# Altium PCB zigbee-coordinator-router.PcbDoc
Units mil, origin at the board's own origin, x right, y up, seen from the top; angles counter-clockwise.
Board outline 3937.01 x 2783.46 mil, 2 copper layers (Top Layer, Bottom Layer); 75 components, 55 nets, 307 pads, 890 vias.
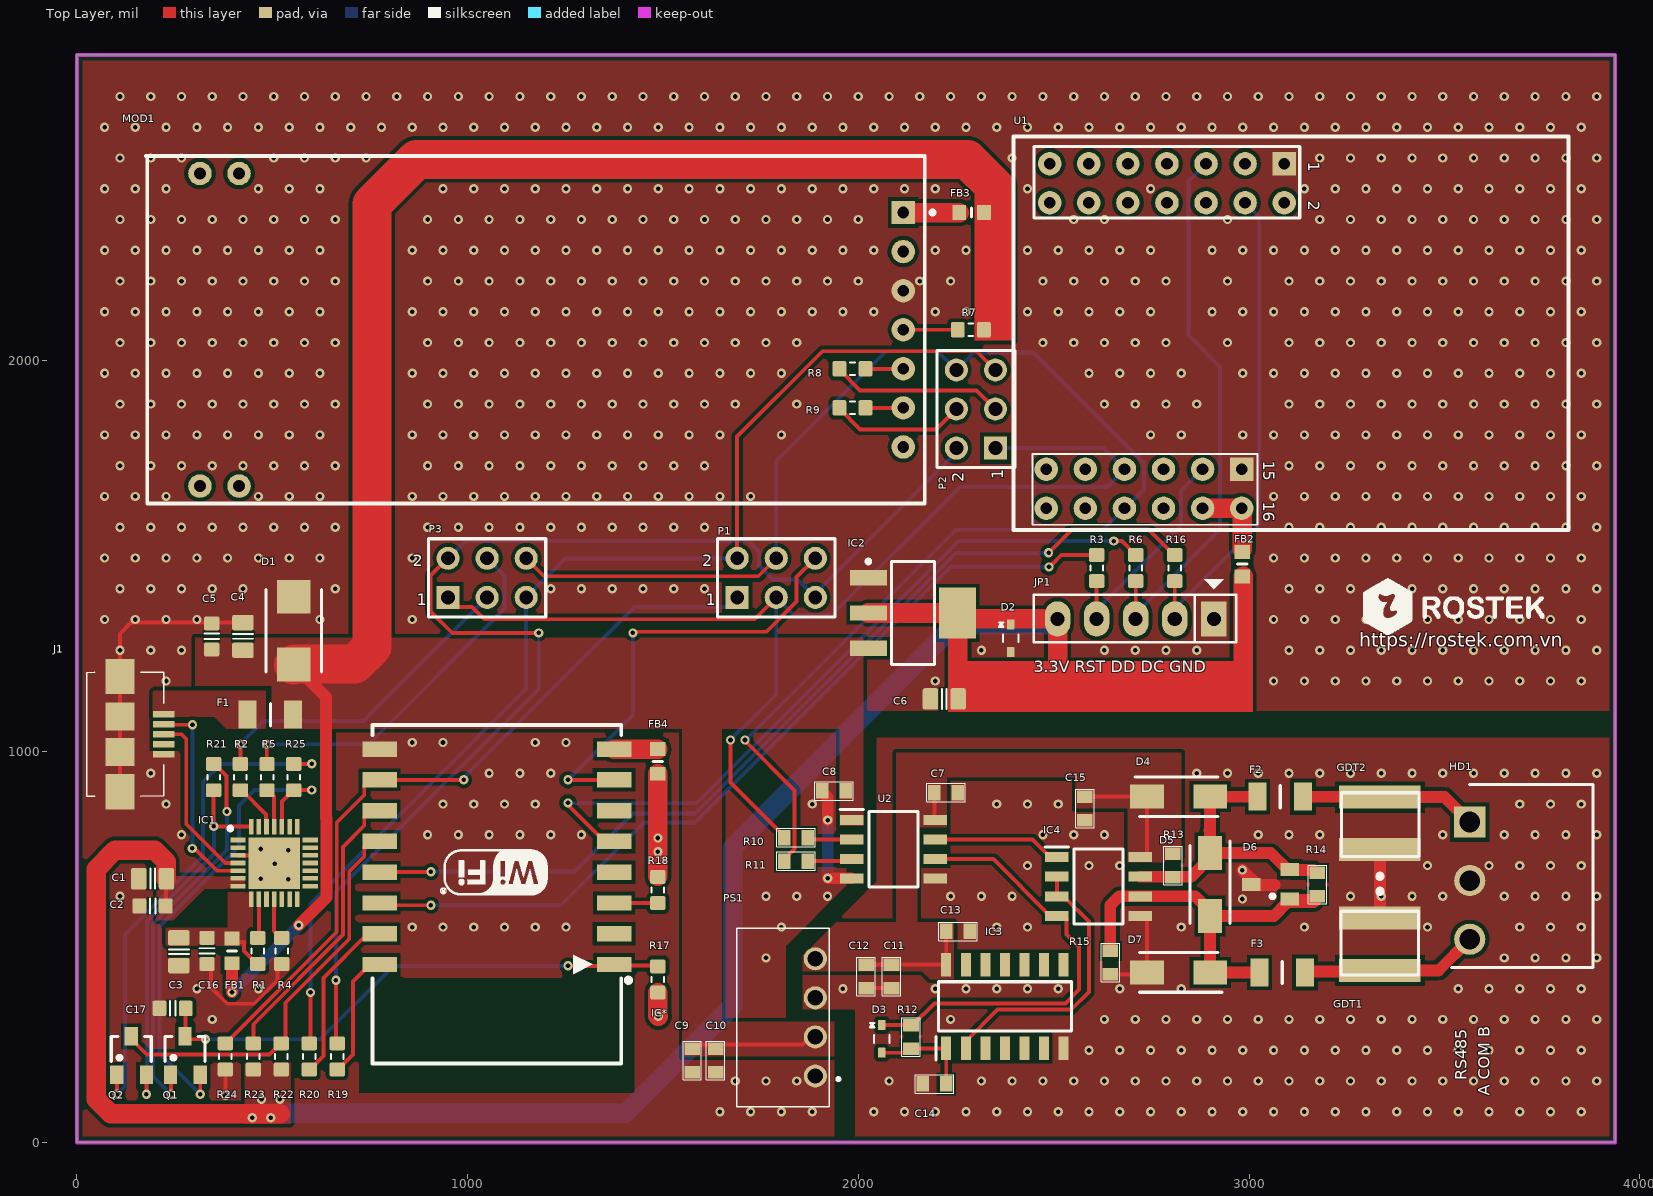
[diagram p0: Top Layer view]
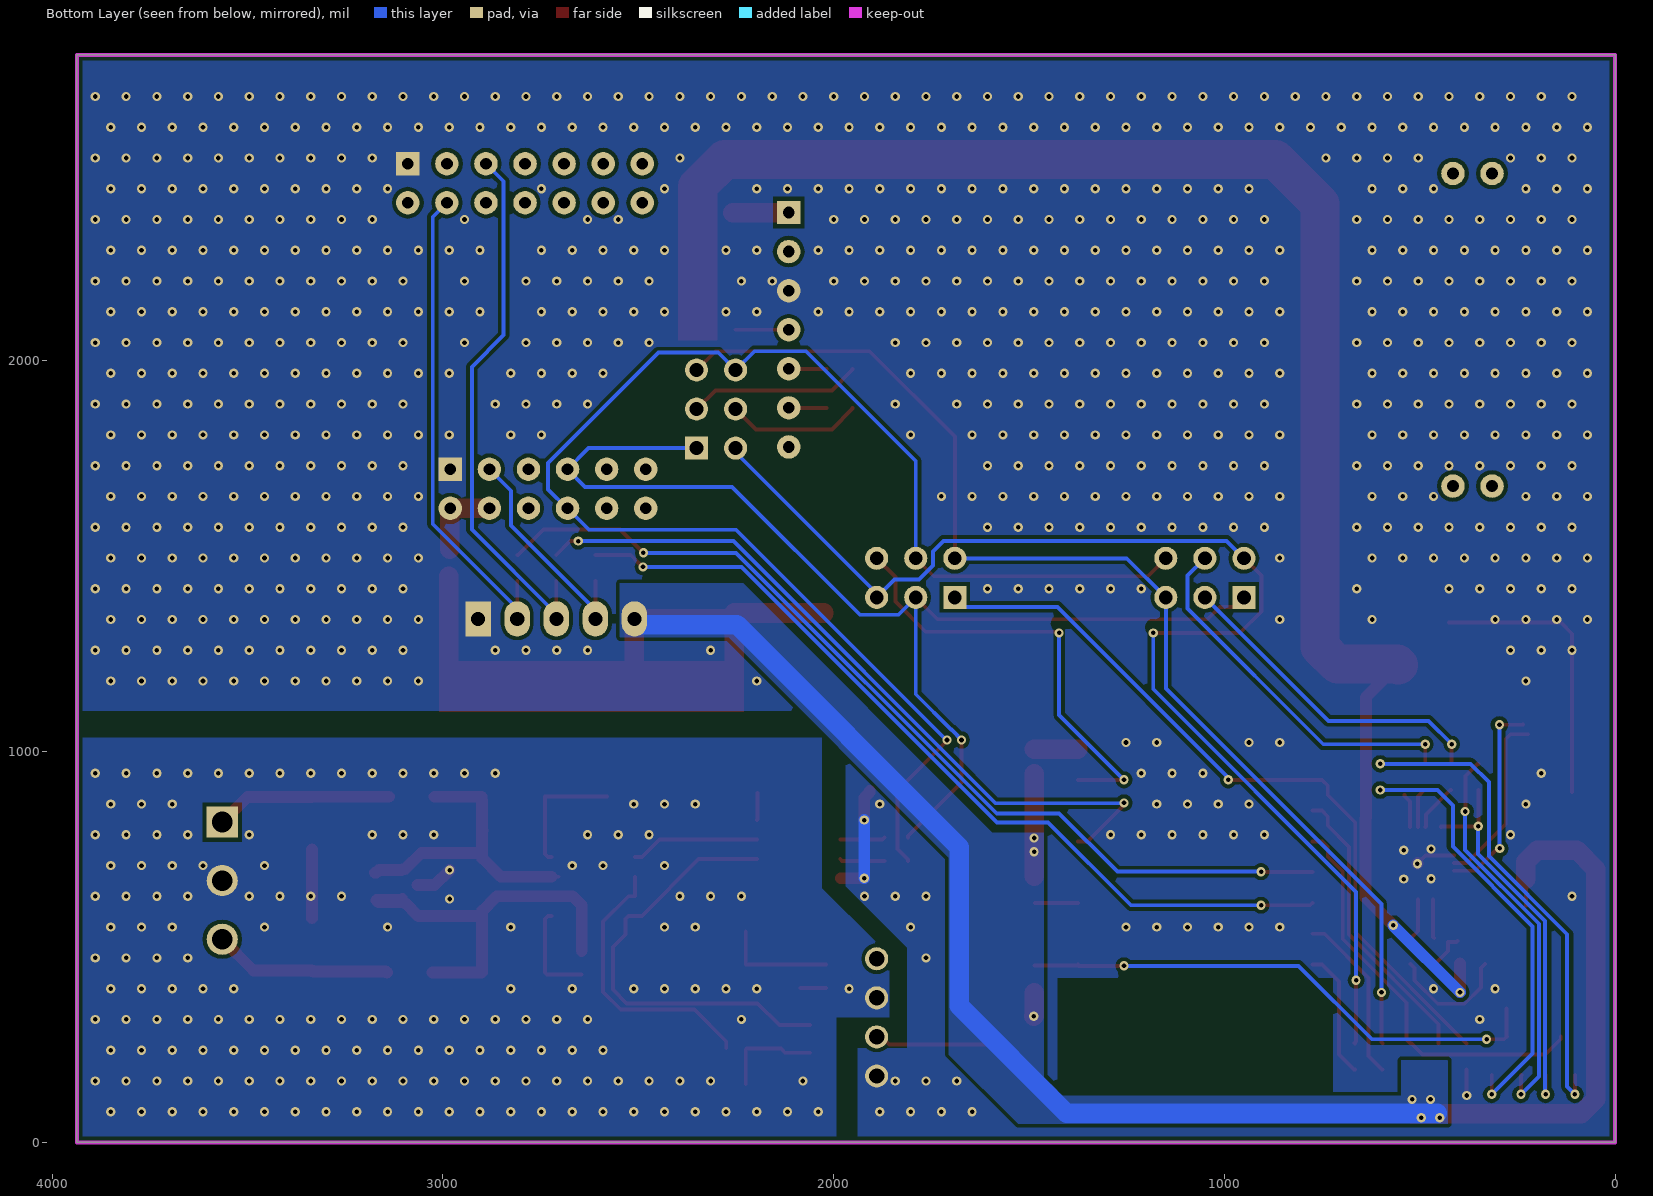
[diagram p1: Bottom Layer view, seen from below]
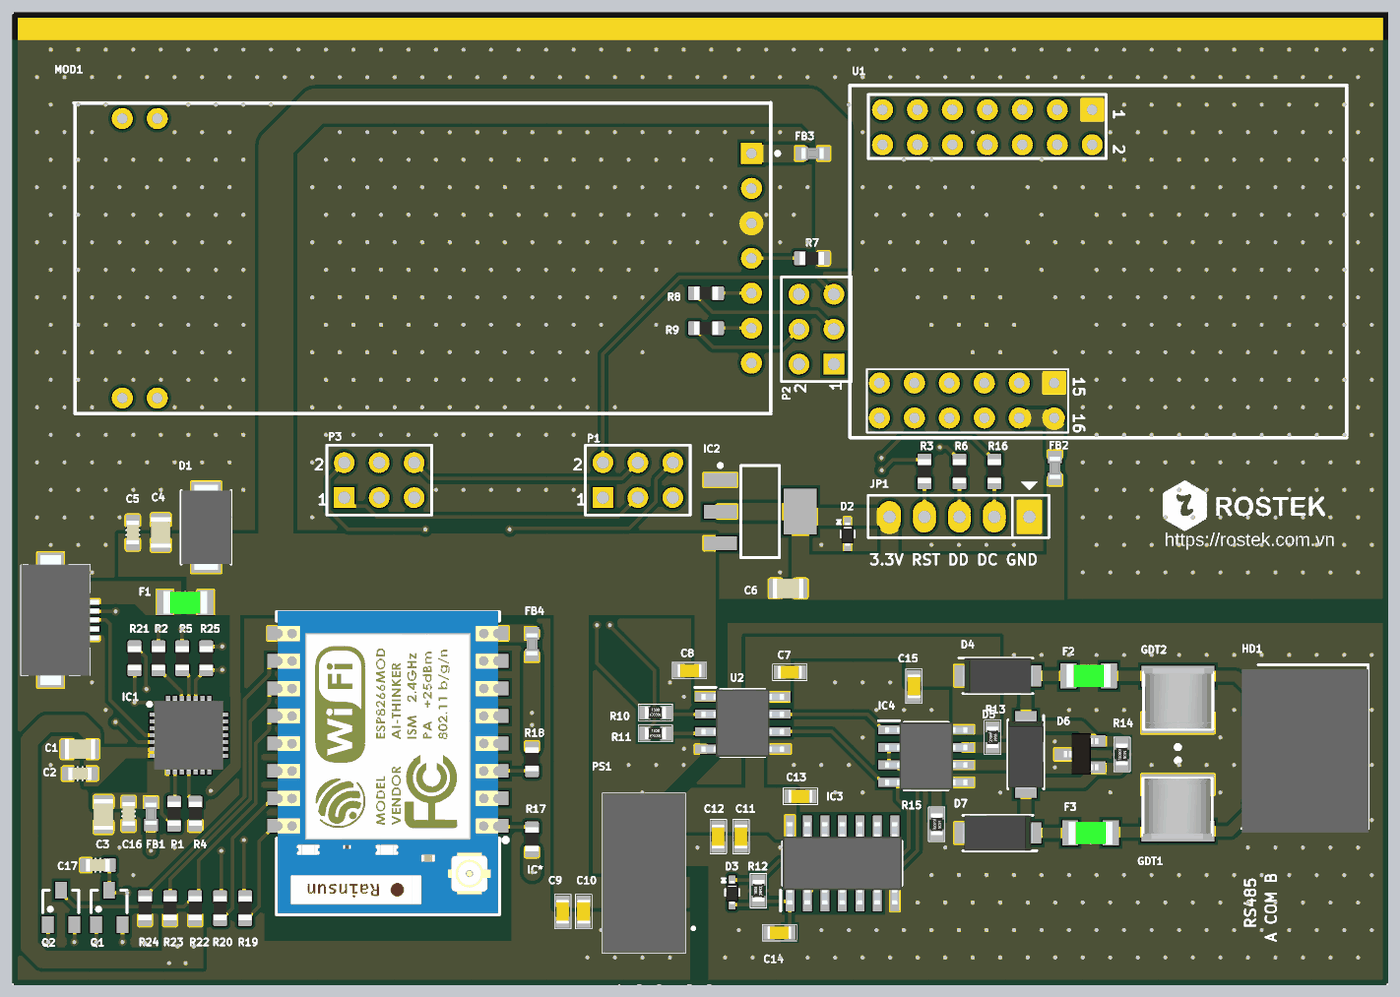
[diagram p2: 3D render of the assembled board from above, using the file's embedded part models]

## Layer stack, top to bottom
Top Solder: solder mask 0.4, Solder Resist, Dk 3.5
Top Layer: signal copper 1.4
Dielectric 1: dielectric 12.6, FR-4, Dk 4.8
Bottom Layer: signal copper 1.4
Bottom Solder: solder mask 0.4, Solder Resist, Dk 3.5

## Board outline
0,0 0,2783.46 3937.01,2783.46 3937.01,0

## Design rules (kind name [scope] priority, off if disabled: settings)
Clearance [All] p1: gap=10 except(6: Arc-Arc Arc-Track Arc-SMDPad Track-Track Track-SMDPad SMDPad-SMDPad)
PolygonConnect [All] p1: connectstyle=Direct reliefconductorwidth=10 reliefentries=4 polygonreliefangle="90 Angle" airgapwidth=10
RoutingVias [All] p1: holewidth=11.81 width=23.62 viastyle="Through Hole" minholewidth=11.81 minwidth=23.62 maxholewidth=39.37 maxwidth=78.74
SolderMaskExpansion [All] p1: expansion=4
Width [All] p1: maxlimit=100 minlimit=10 preferedwidth=10
30 further rules are at their usual default settings.

## Classes and differential pairs
component class RS485: C7 C8 C9 C10 C11 C12 C13 C14 C15 D3 D4 D5 D6 D7 F2 F3 GDT1 GDT2 HD1 IC3 IC4 PS1 R10 R11 R12 R13 R14 R15 U2
component class zigbee-coordinator-router: C1 C2 C3 C4 C5 C6 C16 C17 D1 D2 F1 FB1 FB2 FB3 FB4 IC1 IC2 IC* J1 JP1 MOD1 P1 P2 P3 Q1 Q2 R1 R2 R3 R4 R5 R6 R7 R8 R9 R16 R17 R18 R19 R20 R21 R22 R23 R24 R25 U1

## Components (designator, comment, footprint, x,y, rotation, side; value= is the part's Value field where it differs from the comment)
C1 "approved sub OK" CAPC2012N 193.75,675 r180 top
C2 "approved sub OK" CAPC1608N 193.75,605 r180 top
C3 "approved sub OK" CAPC2012N 261,488 r270 top
C4 "approved sub OK" CAPC2012N 425,1295 r90 top
C5 "approved sub OK" CAPC1608N 345,1295 r90 top
C6 "approved sub OK" CAPC2012N 2220,1135 r180 top
C7 "100nF" CAP-0603-Standard 2225,895 r180 top
C8 "100nF" CAP-0603-Standard 1938,900 r180 top
C9 "4.7uF" CAP-0603-Standard 1575,210 r270 top
C10 "100nF" CAP-0603-Standard 1635,210 r270 top
C11 "4.7uF" CAP-0603-Standard 2085,425 r270 top
C12 "100nF" CAP-0603-Standard 2020,425 r270 top
C13 "100nF" CAP-0603-Standard 2255,540 r180 top
C14 "100nF" CAP-0603-Standard 2195,150 r180 top
C15 "100nF" CAP-0603-Standard 2580,855 r90 top
C16 "approved sub OK" CAPC1608N 333,490 r270 top
C17 "approved sub OK" CAPC1608N 245,343 r180 top
D1 "SMBJ5.0CA-TR" SMBJ36CATR 555,1310 r90 top
D2 "1N4148" SOD523F 2390,1290.43 r270 top
D3 "1N4148" SOD523F 2060,265 r270 top
D4 "SMAJ12A-TR" DIOM5126X265N 2820,885 r0 top
D5 "SMAJ6.5A" DIOM5026X229N 2900,660 r270 top
D6 "SM712" SOT23 3055,660 r90 top
D7 "SMAJ12A-TR" DIOM5126X265N 2820,435 r180 top
F1 "1206L020YR" FUSC3216X100N 495,1095 r0 top
F2 "SMD1206B010TF" FUSC3216X100N 3080,885 r0 top
F3 "SMD1206B010TF" FUSC3216X100N 3085,435 r0 top
FB1 "MMZ1608B601CTAH0" BEADC1608X95N 397,490 r270 top
FB2 "MMZ1608B601CTAH0" BEADC1608X95N 2983,1480 r270 top
FB3 "MMZ1608B601CTAH0" BEADC1608X95N 2290,2380 r0 top
FB4 "MMZ1608B601CTAH0" BEADC1608X95N 1487,975 r90 top
GDT1 "2RL150M-5" 2R-5-ST5 3335,573.86 r270 top
GDT2 "2RL150M-5" 2R-5-ST5 3335,750 r90 top
HD1 "Header 3" SHDRRA3W80P0X381_1X3_1190X920X720P 3565,820 r270 top
IC1 "CP2102N-A01-GQFN28" QFN50P500X500X80-29N-D 505,715 r0 top
IC2 "LM1117" SOT223-4N 2140,1355 r0 top
IC3 "SN74HC14D" SOIC127P600X175-14N 2375,348.23 r90 top
IC4 "MAX485ESA+T" SOIC127P600X175-8N 2615,655 r0 top
IC* "ESP8266 ESP-07" "ESP8266 ESP-07" 1113,745 r180 top
J1 "10104110-0001LF" 101041100001LF 137.56,1044.72 r270 top
JP1 "JP5" JP5 2910,1340 r180 top
MOD1 "Serial to Ethernet Module" USR-TCP232-T2 2115,2380 r180 top
P1 "Header 3X2" HDR2X3 1690,1395 r0 top
P2 "Header 3X2" HDR2X3 2351,1777 r90 top
P3 "Header 3X2" HDR2X3 950,1395 r0 top
PS1 "B0505S-1W" B0505S1W 1890,170 r90 top
Q1 "C1815" SOT23 277,222 r0 top
Q2 "C1815" SOT23 139,222 r0 top
R1 "Thick Film" RESC1608N 463,490 r90 top
R2 "Thick Film" RESC1608N 418.33,935 r90 top
R3 "Thick Film" RESC1608N 2610,1470 r90 top
R4 "Thick Film" RESC1608N 524,490 r90 top
R5 "Thick Film" RESC1608N 486.67,935 r90 top
R6 "Thick Film" RESC1608N 2710,1470 r90 top
R7 "Thick Film" RESC1608N 2288.03,2080 r0 top
R8 "Thick Film" RESC1608N 1985,1980 r180 top
R9 "Thick Film" RESC1608N 1985,1880 r180 top
R10 "22R" RES-0603-STANDARD 1840,780 r0 top
R11 "22R" RES-0603-STANDARD 1840,720 r0 top
R12 "56K" RES-0603-STANDARD 2135,270 r90 top
R13 "4.7K" RES-0603-STANDARD 2805,709 r270 top
R14 "120R" RES-0603-STANDARD 3175,660 r270 top
R15 "4.7K" RES-0603-STANDARD 2644.99,460 r270 top
R16 "Thick Film" RESC1608N 2810,1470 r90 top
R17 "Thick Film" RESC1608N 1487,417 r90 top
R18 "Thick Film" RESC1608N 1487,646 r270 top
R19 "Thick Film" RESC1608N 666.25,220 r90 top
R20 "Thick Film" RESC1608N 594.81,220 r90 top
R21 "Thick Film" RESC1608N 350,935 r270 top
R22 "Thick Film" RESC1608N 523.38,220 r270 top
R23 "Thick Film" RESC1608N 451.69,220 r270 top
R24 "Thick Film" RESC1608N 380,220 r270 top
R25 "Thick Film" RESC1608N 555,935 r270 top
U1 "Z-0002" Z-0002 2785.6,2064 r270 top
U2 "ADUM1201AR-RL7" SOIC127P600X175-8N 2090,750 r0 top

## Footprints (in the part's own frame and the unit in brackets; to place one, negate y for a bottom-side part, rotate by r counter-clockwise, add the part's x,y. Pads: shape width x height; smd on the part's side, far side on the other; paste and mask are expansions set on the pad)
2R-5-ST5 [mm] "5KA surge capability tested with 8/20µs pulse as defined by IEC 61000-4-5"
  rect 1.5x5.3 smd: 1(0,0) 2(3.4,0)
  silkscreen extent -1.8,-2.54 3.68,2.54, body extent -0.42,-2.54 3.98,2.46, height 5
101041100001LF [mm]
  rect 0.4x1.4 smd: 1(-1.3,2.15) 2(-0.65,2.15) 3(0,2.15) 4(0.65,2.15) 5(1.3,2.15)
  rect 2.3x1.9 smd: MP1(-3.75,-0.7) MP4(3.75,-0.7)
  rect 1.8x1.9 smd: MP2(-1.15,-0.7) MP3(1.15,-0.7)
  silkscreen extent -4.03,-2.85 4.03,2.15, body extent -4.71,-2.85 4.71,2.81, height 3.08
B0505S1W [mm]
  round 1.5 hole 1: 1(0,0) 2(2.54,0) 3(5.08,0) 4(7.62,0)
  silkscreen extent -1.99,-1.6 9.61,5.1, body extent -1.99,-0.9 9.61,5.1, height 10.51
BEADC1608X95N [mm]
  rect 0.9x1 smd: 1(-0.8,0) 2(0.8,0)
  silkscreen extent 0,-0.3 0,0.3, body extent -0.8,-0.4 0.8,0.4, height 0.95
CAP-0603-Standard [mil]
  rect 32x40 smd mask+0: 1(-30,0) 2(30,0)
  silkscreen extent -49,-24 49,24, body extent -34,-19 34,19, height 31
CAPC1608N [mm] "Chip Capacitor, Body 1.6x0.8mm, 0603, IPC Medium Density"
  round 0.254 on Mech14: 0(0,0)
  rrect25% 0.9x1 smd: 1(-0.85,0) 2(0.85,0)
  Top Layer pour cut-out: -0.4,0.6 0.4,0.6 0.4,-0.6 -0.4,-0.6
  silkscreen extent -0.18,-0.48 0.18,0.48, body extent -0.85,-0.45 0.85,0.45, height 0.89
CAPC2012N [mm]
  round 0.254 on Mech14: 0(0,0)
  rrect25% 1x1.4 smd: 1(-0.9,0) 2(0.9,0)
  Top Layer pour cut-out: -0.4,0.8 0.4,0.8 0.4,-0.8 -0.4,-0.8
  silkscreen extent -0.15,-0.65 0.15,0.65, body extent -1.1,-0.72 1.1,0.73, height 1.34
DIOM5026X229N [mm]
  rect 2.2x1.55 smd: 1(-2.05,0) 2(2.05,0)
  silkscreen extent -2.83,-1.3 2.52,1.3, body extent -2.52,-1.3 2.52,1.3, height 2.29
DIOM5126X265N [mm]
  rect 2.2x1.55 smd: 1(-2.05,0) 2(2.05,0)
  silkscreen extent -2.83,-1.29 2.54,1.29, body extent -2.54,-1.29 2.54,1.29, height 2.65
"ESP8266 ESP-07" [mm] "ESP8266 ESP-01"
  rect 2.25x1 smd: 1(-6.66,7.356) 2(-6.66,5.356) 3(-6.66,3.356) 4(-6.66,1.356) 5(-6.66,-0.644) 6(-6.66,-2.644) 7(-6.66,-4.644) 8(-6.66,-6.644) 9(8.59,-6.644) 10(8.59,-4.644) 11(8.59,-2.644) 12(8.59,-0.644) 13(8.59,1.356) 14(8.59,3.356) 15(8.59,5.356) 16(8.59,7.356)
  silkscreen extent -7.73,-8.21 9.05,13.79, body extent -7.03,-8.28 8.97,13.72, height 3.5
FUSC3216X100N [mm]
  rect 1.16x1.82 smd: 1(-1.475,0) 2(1.475,0)
  silkscreen extent 0,-0.72 0,0.72, body extent -1.6,-0.82 1.6,0.82, height 1
HDR2X3 [mm] "Connector; Header; 3x2 Position"
  rect 1.5x1.5 hole 0.9: 1(0,0)
  round 1.5 hole 0.9: 2(0,2.54) 3(2.54,0) 4(2.54,2.54) 5(5.08,0) 6(5.08,2.54)
  silkscreen extent -1.27,-1.27 6.35,3.81, body extent -1.27,-1.27 6.35,3.81, height 7
JP5 [mil] "JP5"
  rect 65x90 hole 36: 1(0,0)
  oval 65x90 hole 36: 2(100,0) 3(200,0) 4(300,0) 5(400,0)
  silkscreen extent -57,-101 461,60
QFN50P500X500X80-29N-D [mm]
  rect 1x0.3 smd: 1(-2.35,1.5) 2(-2.35,1) 3(-2.35,0.5) 4(-2.35,0) 5(-2.35,-0.5) 6(-2.35,-1) 7(-2.35,-1.5) 15(2.35,-1.5) 16(2.35,-1) 17(2.35,-0.5) 18(2.35,0) 19(2.35,0.5) 20(2.35,1) 21(2.35,1.5)
  rect 0.3x1 smd: 8(-1.5,-2.35) 9(-1,-2.35) 10(-0.5,-2.35) 11(0,-2.35) 12(0.5,-2.35) 13(1,-2.35) 14(1.5,-2.35) 22(1.5,2.35) 23(1,2.35) 24(0.5,2.35) 25(0,2.35) 26(-0.5,2.35) 27(-1,2.35) 28(-1.5,2.35)
  rect 3.35x3.35 smd: 29(0,0)
  silkscreen extent -2.97,2.13 -2.72,2.37, body extent -2.55,-2.55 2.55,2.55, height 0.8
RES-0603-STANDARD [mil]
  rect 32x40 smd mask+0: 1(-30,0) 2(30,0)
  Top Layer pour cut-out: -20,19.69 -20,-19.68 20,-19.68 20,19.69
  silkscreen extent -49,-24 49,24, body extent -31,-17 31,17, height 18
RESC1608N [mm] "Chip Resistor, Body 1.6x0.8mm, 0603, IPC Medium Density"
  round 0.254 on Mech14: 0(0,0)
  rrect25% 0.9x1 smd: 1(-0.85,0) 2(0.85,0)
  Top Layer pour cut-out: -0.4,0.6 0.4,0.6 0.4,-0.6 -0.4,-0.6
  silkscreen extent -0.15,-0.41 0.15,0.41, body extent -0.87,-0.47 0.88,0.48, height 0.54
SHDRRA3W80P0X381_1X3_1190X920X720P [mm]
  rect 2.025x2.025 hole 1.35: 1(0,0)
  round 2.025 hole 1.35: 2(3.81,0) 3(7.62,0)
  silkscreen extent -2.45,-1.2 9.45,8, body extent -2.14,-1.2 9.76,8, height 7.2
SMBJ36CATR [mm]
  rect 2.2x2.15 smd: 1(-2.2,0) 2(2.2,0)
  silkscreen extent -2.68,-1.81 2.68,1.81, body extent -3.09,-1.81 3.09,1.81, height 2.75
SOD523F [mm]
  round 0.508 on Mech14: 0(0,0)
  rrect20% 0.65x0.5 smd: A(0.9,0) K(-0.9,0)
  silkscreen extent -1.02,-0.77 0.25,0.51, body extent -0.85,-0.45 0.85,0.45, height 0.7
SOIC127P600X175-8N [mm]
  rect 1.525x0.65 smd: 1(-2.712,1.905) 2(-2.712,0.635) 3(-2.712,-0.635) 4(-2.712,-1.905) 5(2.712,-1.905) 6(2.712,-0.635) 7(2.712,0.635) 8(2.712,1.905)
  silkscreen extent -3.47,-2.45 1.6,2.58, body extent -3,-2.45 3,2.45, height 1.75
SOIC127P600X175-14N [mm]
  rect 1.525x0.65 smd: 1(-2.712,3.81) 2(-2.712,2.54) 3(-2.712,1.27) 4(-2.712,0) 5(-2.712,-1.27) 6(-2.712,-2.54) 7(-2.712,-3.81) 8(2.712,-3.81) 9(2.712,-2.54) 10(2.712,-1.27) 11(2.712,0) 12(2.712,1.27) 13(2.712,2.54) 14(2.712,3.81)
  silkscreen extent -3.47,-4.33 1.6,4.48, body extent -3,-4.33 3,4.33, height 1.75
SOT23 [mm]
  rect 0.85x1.2 smd: 1(-0.94,-1.245) 2(0.985,-1.25) 3(0.005,1.25)
  silkscreen extent -0.88,-0.25 -0.64,0, body extent -1.47,-1.33 1.53,1.17, height 1.06
SOT223-4N [mm] "SOT223, 4-Leads, Body 6.5x3.5mm, Pitch 2.3mm, Lead Span 7mm, IPC Medium Density"
  rect 2.4x1 smd: 1(-2.9,2.3) 2(-2.9,0) 3(-2.9,-2.3)
  rect 2.4x3.3 smd: 4(2.9,0)
  silkscreen extent -3.02,-3.35 1.4,3.47, body extent -1.85,-3.35 1.85,3.35, height 1.8
USR-TCP232-T2 [mil] "Serial to Ethernet Module"
  round 60 hole 30: 0(1700,-99.88) 0(1700,700.12) 0(1800,-99.88) 0(1800,700.12) 2(0,100) 3(0,200) 4(0,300) 5(0,400) 6(0,500) 7(0,600)
  rect 60x60 hole 30: 1(0,0)
  silkscreen extent -80,-145 1938,745, body extent -55,-145 1935,745, height 712
Z-0002 [mil]
  rect 60x60 hole 30: 1(-441,304.4) 15(341,195.6)
  round 60 hole 30: 2(-341,304.4) 3(-441,204.4) 4(-341,204.4) 5(-441,104.4) 6(-341,104.4) 7(-441,4.4) 8(-341,4.4) 9(-441,-95.6) 10(-341,-95.6) 11(-441,-195.6) 12(-341,-195.6) 13(-441,-295.6) 14(-341,-295.6) 16(441,195.6) 17(341,95.6) 18(441,95.6) 19(341,-4.4) 20(441,-4.4) 21(341,-104.4) 22(441,-104.4) 23(341,-204.4) 24(441,-204.4) 25(341,-304.4) 26(441,-304.4)
  silkscreen extent -511,-389 497,1032

## Part data
C1 C3: library part CAPC_4u7_0805, "Capacitor SMD Cer 4.7uF 10% 16V X5R 0805"
C2 C16 C17: library part CAPC_100n_0603, "Capacitor SMD Cer 100nF 10% 50V X7R 0603"
C4 C6: library part CAPC_10u_0805_16V, "Capacitor SMD Cer 10uF 10% 16V X7R 0805"
C5: library part CAPC_1u_0603, "Capacitor SMD Cer 1uF 10% 16V X7R 0603"
C7 C8 C10 C12 C13 C14 C15: library part CAP-0603-0.1uF, "CAP-CER, SMD, 0603, 0.1UF"
C9 C11: library part CAP-0603-0.1uF, "CAP-CER, SMD, 0603, 4.7UF, 5%, 100V"
D1 D4 D7: "Diode"
D2 D3: library part DIODE_1N4148_200mA_SOD523F, "Diode SMD small signal 0.2A SOD-523F"
D5: "TVS Diode (Uni-directional)"
D6: library part CDSOT23-SM712, "TVS DIODE 7VWM/12VWM SOT23"
F1: "Fuse"
F2 F3: library part 1206L020YR, "Fuse"
FB1 FB2 FB3 FB4: "Ferrite Bead"
GDT1 GDT2: "GDT 150V 5KA 2 POLE SMD"
HD1: "Terminal Block Header, 3, 300 V, 12 A, 3.81 mm"
IC1 IC4: "Integrated Circuit"
IC2: "3v3"
IC3: library part SN74HC14D_1, "Hex Schmitt Trigger"
J1: "Connector"
MOD1: library part USR-TCP232-T2
P1 P2 P3: "Header, 3-Pin, Dual row"
PS1: "Power Supply"
Q1 Q2: "NPN 600mW, ECB"
R1 R7: library part RES_4K7_0603_5%, "Resistor SMD chip 4.7k Ohm 0.1W 5% 0603"
R2 R3 R5 R6 R8 R9 R16 R19 R20: library part RES_22R_0603_5%, "Resistor SMD chip 22 Ohm 0.1W 5% 0603"
R4 R17 R18 R21 R22 R23 R24 R25: library part RES_10K_0603_5%, "Resistor SMD chip 10k Ohm 0.1W 5% 0603"
R10 R11 R13 R15: library part RES-0603, "RES, SMD, 0603, 5%, 1/10W, THICK FILM"
R12 R14: library part RES-0603, "RES, SMD, 0603, 1%, 1/10W, THICK FILM"
U2: "Capacitor"

## Via types
v1: diameter 23.62, hole 11.81, Top Layer to Bottom Layer, tented both sides, 890 vias
